# Altium PCB RK_NVR_DEMO1_RK3588_LP4XD200P232SD8_V21_20211228_final_lint.PcbDoc (part 5 of 29)
Units mm, origin at the board's own origin, x right, y up, seen from the top; angles counter-clockwise.
Board outline 170.08 x 169.98 mm, 8 copper layers (TOP, L2-GND1, L3-POWER1, L4-S1, L5-GND2, L6-S2, L7-GND3, BOTTOM), stack 2.118 mm thick; 1650 components, 1119 nets, 6165 pads, 15417 vias.
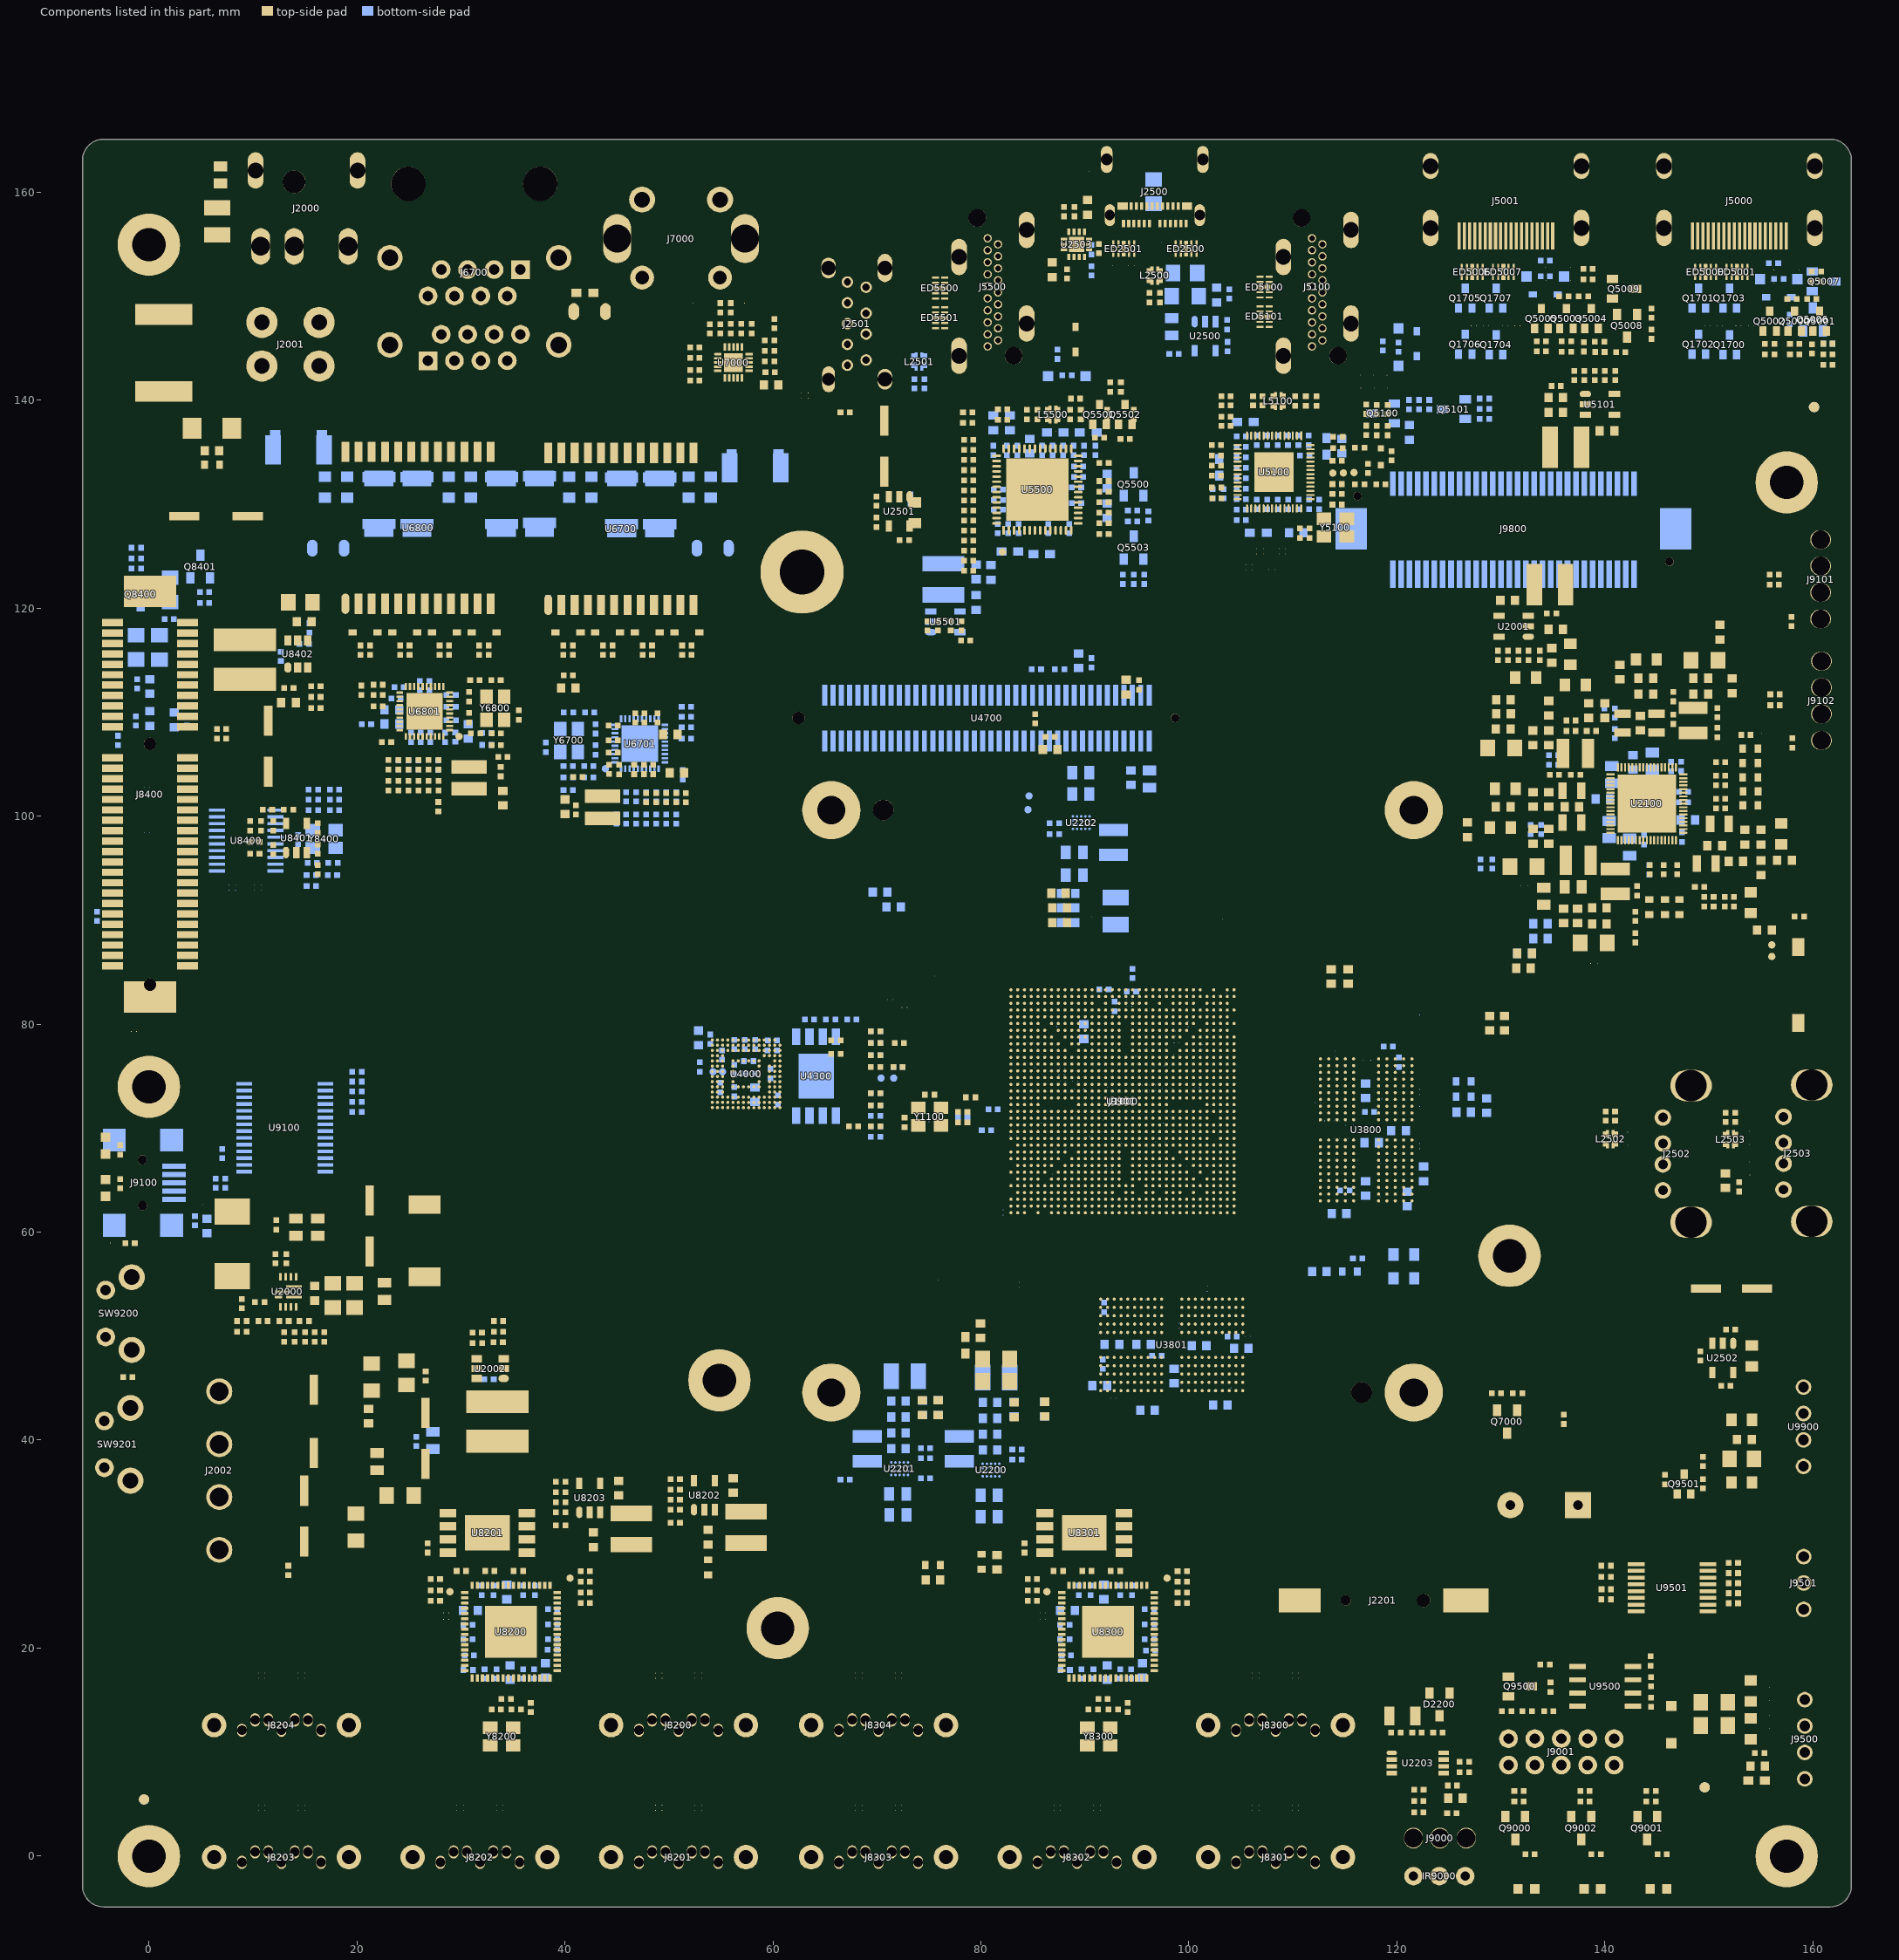
[diagram p11: the components of this part, seen from the top]

## Footprints (in the part's own frame and the unit in brackets; to place one, negate y for a bottom-side part, rotate by r counter-clockwise, add the part's x,y. Pads: shape width x height; smd on the part's side, far side on the other; paste and mask are expansions set on the pad) (continued)
QFN20_3R00X3R00X0R55_T [mil] "QFN20_3R00X3R00X0R55_T"
  oval 27.56x9.84 smd: 1(-59.06,31.5)
  rect 27.56x9.84 smd: 2(-59.06,15.75) 3(-59.06,0) 4(-59.06,-15.75) 5(-59.06,-31.5) 11(59.06,-31.5) 12(59.06,-15.75) 13(59.06,0) 14(59.06,15.75) 15(59.06,31.5)
  rect 9.84x27.56 smd: 6(-31.5,-59.06) 7(-15.75,-59.06) 8(0,-59.06) 9(15.75,-59.06) 10(31.5,-59.06) 16(31.5,59.06) 17(15.75,59.06) 18(0,59.06) 19(-15.75,59.06) 20(-31.5,59.06)
  rect 70.87x70.87 smd: 21(0,0)
  silkscreen extent -109,-59 59,59, body extent -75,-75 75,75, height 150
QFN40_5R00X5R00X0R90_T#1 [mm] "QFN40_5R00X5R00X0R90_T"
  rect 0.65x0.23 smd: 1(2.4,-1.8) 2(2.4,-1.4) 3(2.4,-1) 4(2.4,-0.6) 5(2.4,-0.2) 6(2.4,0.2) 7(2.4,0.6) 8(2.4,1) 9(2.4,1.4) 10(2.4,1.8) 21(-2.4,1.8) 22(-2.4,1.4) 23(-2.4,1) 24(-2.4,0.6) 25(-2.4,0.2) 26(-2.4,-0.2) 27(-2.4,-0.6) 28(-2.4,-1) 29(-2.4,-1.4) 30(-2.4,-1.8)
  rect 0.23x0.65 smd: 11(1.8,2.4) 12(1.4,2.4) 13(1,2.4) 14(0.6,2.4) 15(0.2,2.4) 16(-0.2,2.4) 17(-0.6,2.4) 18(-1,2.4) 19(-1.4,2.4) 20(-1.8,2.4) 31(-1.8,-2.4) 32(-1.4,-2.4) 33(-1,-2.4) 34(-0.6,-2.4) 35(-0.2,-2.4) 36(0.2,-2.4) 37(0.6,-2.4) 38(1,-2.4) 39(1.4,-2.4) 40(1.8,-2.4)
  rect 3.5x3.5 smd: 41(0,0)
  silkscreen extent -2.5,-2.5 3.56,2.5, body extent -2.75,-2.55 2.75,2.55, height 3.81
QFN40_5R00X5R00X0R90_T#2 [mm] "QFN40_5R00X5R00X0R90_T"
  rect 0.65x0.23 smd: 1(-2.4,1.8) 2(-2.4,1.4) 3(-2.4,1) 4(-2.4,0.6) 5(-2.4,0.2) 6(-2.4,-0.2) 7(-2.4,-0.6) 8(-2.4,-1) 9(-2.4,-1.4) 10(-2.4,-1.8) 21(2.4,-1.8) 22(2.4,-1.4) 23(2.4,-1) 24(2.4,-0.6) 25(2.4,-0.2) 26(2.4,0.2) 27(2.4,0.6) 28(2.4,1) 29(2.4,1.4) 30(2.4,1.8)
  rect 0.23x0.65 smd: 11(-1.8,-2.4) 12(-1.4,-2.4) 13(-1,-2.4) 14(-0.6,-2.4) 15(-0.2,-2.4) 16(0.2,-2.4) 17(0.6,-2.4) 18(1,-2.4) 19(1.4,-2.4) 20(1.8,-2.4) 31(1.8,2.4) 32(1.4,2.4) 33(1,2.4) 34(0.6,2.4) 35(0.2,2.4) 36(-0.2,2.4) 37(-0.6,2.4) 38(-1,2.4) 39(-1.4,2.4) 40(-1.8,2.4)
  rect 3.5x3.5 smd: 41(0,0)
  silkscreen extent -3.56,-2.5 2.5,2.5, body extent -2.75,-2.55 2.75,2.55, height 3.81
QFN56_7R00X7R00X0R90_T [mil] "QFN56_7R00X7R00X0R90_T"
  rect 31.5x7.87 smd: 1(-137.8,102.36)
  oval 31.5x7.87 smd: 2(-137.8,86.61) 3(-137.8,70.87) 4(-137.8,55.12) 5(-137.8,39.37) 6(-137.8,23.62) 7(-137.8,7.87) 8(-137.8,-7.87) 9(-137.8,-23.62) 10(-137.8,-39.37) 11(-137.8,-55.12) 12(-137.8,-70.87) 13(-137.8,-86.61) 14(-137.8,-102.36) 29(137.8,-102.36) 30(137.8,-86.61) 31(137.8,-70.87) 32(137.8,-55.12) 33(137.8,-39.37) 34(137.8,-23.62) 35(137.8,-7.87) 36(137.8,7.87) 37(137.8,23.62) 38(137.8,39.37) 39(137.8,55.12) 40(137.8,70.87) 41(137.8,86.61) 42(137.8,102.36)
  oval 7.87x31.5 smd: 15(-102.36,-137.8) 16(-86.61,-137.8) 17(-70.87,-137.8) 18(-55.12,-137.8) 19(-39.37,-137.8) 20(-23.62,-137.8) 21(-7.87,-137.8) 22(7.87,-137.8) 23(23.62,-137.8) 24(39.37,-137.8) 25(55.12,-137.8) 26(70.87,-137.8) 27(86.61,-137.8) 28(102.36,-137.8) 43(102.36,137.8) 44(86.61,137.8) 45(70.87,137.8) 46(55.12,137.8) 47(39.37,137.8) 48(23.62,137.8) 49(7.87,137.8) 50(-7.87,137.8) 51(-23.62,137.8) 52(-39.37,137.8) 53(-55.12,137.8) 54(-70.87,137.8) 55(-86.61,137.8) 56(-102.36,137.8)
  rect 149.61x149.61 smd: 57(0,0)
  silkscreen extent -188,-138 138,138
QFN56_8R00X8R00X0R90_T [mm] "QFN56_8R00X8R00X0R90_T"
  rect 0.85x0.25 smd: 1(-3.925,3.25)
  oval 0.85x0.25 smd: 2(-3.925,2.75) 3(-3.925,2.25) 4(-3.925,1.75) 5(-3.925,1.25) 6(-3.925,0.75) 7(-3.925,0.25) 8(-3.925,-0.25) 9(-3.925,-0.75) 10(-3.925,-1.25) 11(-3.925,-1.75) 12(-3.925,-2.25) 13(-3.925,-2.75) 14(-3.925,-3.25) 29(3.925,-3.25) 30(3.925,-2.75) 31(3.925,-2.25) 32(3.925,-1.75) 33(3.925,-1.25) 34(3.925,-0.75) 35(3.925,-0.25) 36(3.925,0.25) 37(3.925,0.75) 38(3.925,1.25) 39(3.925,1.75) 40(3.925,2.25) 41(3.925,2.75) 42(3.925,3.25)
  oval 0.25x0.85 smd: 15(-3.25,-3.925) 16(-2.75,-3.925) 17(-2.25,-3.925) 18(-1.75,-3.925) 19(-1.25,-3.925) 20(-0.75,-3.925) 21(-0.25,-3.925) 22(0.25,-3.925) 23(0.75,-3.925) 24(1.25,-3.925) 25(1.75,-3.925) 26(2.25,-3.925) 27(2.75,-3.925) 28(3.25,-3.925) 43(3.25,3.925) 44(2.75,3.925) 45(2.25,3.925) 46(1.75,3.925) 47(1.25,3.925) 48(0.75,3.925) 49(0.25,3.925) 50(-0.25,3.925) 51(-0.75,3.925) 52(-1.25,3.925) 53(-1.75,3.925) 54(-2.25,3.925) 55(-2.75,3.925) 56(-3.25,3.925)
  rect 6x6 smd: 57(0,0)
  silkscreen extent -5.5,-4 4,4, body extent -4.35,-4.05 4.35,4.05, height 3.81
QFN64_9R00X9R00X0R90_T [mm] "QFN64_9R00X9R00X0R90_T"
  rect 0.7x0.3 smd: 1(-4.45,3.75) 2(-4.45,3.25) 3(-4.45,2.75) 4(-4.45,2.25) 5(-4.45,1.75) 6(-4.45,1.25) 7(-4.45,0.75) 8(-4.45,0.25) 9(-4.45,-0.25) 10(-4.45,-0.75) 11(-4.45,-1.25) 12(-4.45,-1.75) 13(-4.45,-2.25) 14(-4.45,-2.75) 15(-4.45,-3.25) 16(-4.45,-3.75) 33(4.45,-3.75) 34(4.45,-3.25) 35(4.45,-2.75) 36(4.45,-2.25) 37(4.45,-1.75) 38(4.45,-1.25) 39(4.45,-0.75) 40(4.45,-0.25) 41(4.45,0.25) 42(4.45,0.75) 43(4.45,1.25) 44(4.45,1.75) 45(4.45,2.25) 46(4.45,2.75) 47(4.45,3.25) 48(4.45,3.75)
  rect 0.3x0.7 smd: 17(-3.75,-4.45) 18(-3.25,-4.45) 19(-2.75,-4.45) 20(-2.25,-4.45) 21(-1.75,-4.45) 22(-1.25,-4.45) 23(-0.75,-4.45) 24(-0.25,-4.45) 25(0.25,-4.45) 26(0.75,-4.45) 27(1.25,-4.45) 28(1.75,-4.45) 29(2.25,-4.45) 30(2.75,-4.45) 31(3.25,-4.45) 32(3.75,-4.45) 49(3.75,4.45) 50(3.25,4.45) 51(2.75,4.45) 52(2.25,4.45) 53(1.75,4.45) 54(1.25,4.45) 55(0.75,4.45) 56(0.25,4.45) 57(-0.25,4.45) 58(-0.75,4.45) 59(-1.25,4.45) 60(-1.75,4.45) 61(-2.25,4.45) 62(-2.75,4.45) 63(-3.25,4.45) 64(-3.75,4.45)
  rect 5x5 smd: 65(0,0)
  silkscreen extent -5.55,-4.5 4.5,4.5, body extent -4.8,-4.8 4.8,4.8, height 3.81
QFN68_7R00X7R00X0R80_T [mil] "QFN68_7R00X7R00X0R80_T"
  oval 31.5x7.87 smd: 1(-137.8,110.24)
  rect 31.5x7.87 smd: 2(-137.8,96.46) 3(-137.8,82.68) 4(-137.8,68.9) 5(-137.8,55.12) 6(-137.8,41.34) 7(-137.8,27.56) 8(-137.8,13.78) 9(-137.8,0) 10(-137.8,-13.78) 11(-137.8,-27.56) 12(-137.8,-41.34) 13(-137.8,-55.12) 14(-137.8,-68.9) 15(-137.8,-82.68) 16(-137.8,-96.46) 17(-137.8,-110.24) 35(137.8,-110.24) 36(137.8,-96.46) 37(137.8,-82.68) 38(137.8,-68.9) 39(137.8,-55.12) 40(137.8,-41.34) 41(137.8,-27.56) 42(137.8,-13.78) 43(137.8,0) 44(137.8,13.78) 45(137.8,27.56) 46(137.8,41.34) 47(137.8,55.12) 48(137.8,68.9) 49(137.8,82.68) 50(137.8,96.46) 51(137.8,110.24)
  rect 7.87x31.5 smd: 18(-110.24,-137.8) 19(-96.46,-137.8) 20(-82.68,-137.8) 21(-68.9,-137.8) 22(-55.12,-137.8) 23(-41.34,-137.8) 24(-27.56,-137.8) 25(-13.78,-137.8) 26(0,-137.8) 27(13.78,-137.8) 28(27.56,-137.8) 29(41.34,-137.8) 30(55.12,-137.8) 31(68.9,-137.8) 32(82.68,-137.8) 33(96.46,-137.8) 34(110.24,-137.8) 52(110.24,137.8) 53(96.46,137.8) 54(82.68,137.8) 55(68.9,137.8) 56(55.12,137.8) 57(41.34,137.8) 58(27.56,137.8) 59(13.78,137.8) 60(0,137.8) 61(-13.78,137.8) 62(-27.56,137.8) 63(-41.34,137.8) 64(-55.12,137.8) 65(-68.9,137.8) 66(-82.68,137.8) 67(-96.46,137.8) 68(-110.24,137.8)
  rect 220.47x220.47 smd: 69(0,0)
  TOP keep-out region: -120,120 -120,-120 120,-120 120,120
  TOP keep-out region: -120,115 -120,-115 -155,-115 -155,115
  TOP keep-out region: 115,155 115,120 -115,120 -115,155
  TOP keep-out region: 120,-115 120,115 155,115 155,-115
  TOP keep-out region: 120,-120 120,-155 -115,-155 -115,-120
  silkscreen extent -189,-138 138,138, body extent -156,-143 156,143, height 150
R0201#1 [mil] "R0201"
  round 1 smd: 1(9.85,0) 2(-9.85,0)
  TOP region: 9.85,-5.91 13.85,-5.91 14.7,-5.58 15.3,-4.89 15.52,-4 15.52,-4 15.52,4.5 15.21,5.22 14.61,5.73 13.85,5.91 13.85,5.91 9.85,5.91 6.9,5.12 4.73,2.95 3.94,0 4.73,-2.95 6.9,-5.12 9.85,-5.91
  TOP region: -9.85,5.91 -13.85,5.91 -14.7,5.58 -15.3,4.89 -15.52,4 -15.52,4 -15.52,-4.5 -15.21,-5.22 -14.61,-5.73 -13.85,-5.91 -13.85,-5.91 -9.85,-5.91 -6.9,-5.12 -4.73,-2.95 -3.94,0 -4.73,2.95 -6.9,5.12 -9.85,5.91
R0201#2 [mil] "R0201"
  round 1 smd: 1(-9.85,0) 2(9.85,0)
  TOP region: -9.85,5.91 -13.85,5.91 -14.7,5.58 -15.3,4.89 -15.52,4 -15.52,4 -15.52,-4.5 -15.21,-5.22 -14.61,-5.73 -13.85,-5.91 -13.85,-5.91 -9.85,-5.91 -6.9,-5.12 -4.73,-2.95 -3.94,0 -4.73,2.95 -6.9,5.12 -9.85,5.91
  TOP region: 9.85,-5.91 13.85,-5.91 14.7,-5.58 15.3,-4.89 15.52,-4 15.52,-4 15.52,4.5 15.21,5.22 14.61,5.73 13.85,5.91 13.85,5.91 9.85,5.91 6.9,5.12 4.73,2.95 3.94,0 4.73,-2.95 6.9,-5.12 9.85,-5.91
  body extent -22,-12 22,12, height 150
R0201#3 [mil] "R0201"
  round 1 smd: 1(0,-9.86) 2(0,9.86)
  TOP region: 5.9,9.86 5.91,13.86 5.58,14.71 4.89,15.32 4,15.53 4,15.54 -4.5,15.54 -5.23,15.22 -5.73,14.62 -5.91,13.86 -5.91,13.86 -5.9,9.86 -5.12,6.91 -2.95,4.75 0,3.96 2.95,4.75 5.12,6.91 5.91,9.86
  TOP region: -5.9,-9.86 -5.91,-13.86 -5.58,-14.71 -4.89,-15.32 -4,-15.53 -4,-15.54 4.5,-15.54 5.23,-15.22 5.73,-14.62 5.91,-13.86 5.91,-13.86 5.9,-9.86 5.12,-6.91 2.95,-4.75 0,-3.96 -2.95,-4.75 -5.12,-6.91 -5.91,-9.86
  body extent -22,-12 22,12, height 150
R0201#4 [mil] "R0201"
  round 1 smd: 1(0,9.86) 2(0,-9.86)
  TOP region: 5.9,9.86 5.91,13.86 5.58,14.71 4.89,15.32 4,15.53 4,15.54 -4.5,15.54 -5.23,15.22 -5.73,14.62 -5.91,13.86 -5.91,13.86 -5.9,9.86 -5.12,6.91 -2.95,4.75 0,3.96 2.95,4.75 5.12,6.91 5.91,9.86
  TOP region: -5.9,-9.86 -5.91,-13.86 -5.58,-14.71 -4.89,-15.32 -4,-15.53 -4,-15.54 4.5,-15.54 5.23,-15.22 5.73,-14.62 5.91,-13.86 5.91,-13.86 5.9,-9.86 5.12,-6.91 2.95,-4.75 0,-3.96 -2.95,-4.75 -5.12,-6.91 -5.91,-9.86
  body extent -22,-12 22,12, height 150
R0402#1 [mm] "R0402"
  rect 0.55x0.55 smd: 1(-0.45,0) 2(0.45,0)
  TOP keep-out region: -0.127,0.381 -0.127,-0.381 0.127,-0.381 0.127,0.381
  silkscreen extent -0.9,-0.4 0.9,0.4, body extent -0.89,-0.38 0.89,0.38, height 3.81
R0402#2 [mm] "R0402"
  round 0.025 smd: 1(0,0.45) 2(0,-0.45)
  TOP region: 0.275,-0.725 0.275,-0.175 -0.275,-0.175 -0.275,-0.725
  TOP region: 0.275,0.175 0.275,0.725 -0.275,0.725 -0.275,0.175
  TOP keep-out region: 0.381,0.127 -0.381,0.127 -0.381,-0.127 0.381,-0.127
  silkscreen extent -0.4,-0.9 0.4,0.9, body extent -0.89,-0.38 0.89,0.38, height 3.81
R0402#3 [mm] "R0402"
  rect 0.55x0.55 smd: 1(0.45,0) 2(-0.45,0)
  TOP keep-out region: 0.127,-0.381 0.127,0.381 -0.127,0.381 -0.127,-0.381
  silkscreen extent -0.9,-0.4 0.9,0.4, body extent -0.89,-0.38 0.89,0.38, height 3.81
R0402#4 [mm] "R0402"
  round 0.025 smd: 1(-0.45,0) 2(0.45,0)
  TOP region: -0.175,0.275 -0.725,0.275 -0.725,-0.275 -0.175,-0.275
  TOP region: 0.725,0.275 0.175,0.275 0.175,-0.275 0.725,-0.275
  TOP keep-out region: -0.127,0.381 -0.127,-0.381 0.127,-0.381 0.127,0.381
  silkscreen extent -0.9,-0.4 0.9,0.4, body extent -0.89,-0.38 0.89,0.38, height 3.81
R0402#5 [mm] "R0402"
  rect 0.55x0.55 smd: 1(-0.45,0) 2(0.45,0)
  silkscreen extent -0.9,-0.4 0.9,0.4
R0402#6 [mm] "R0402"
  round 0.025 smd: 1(0,-0.45) 2(0,0.45)
  TOP region: -0.275,-0.175 -0.275,-0.725 0.275,-0.725 0.275,-0.175
  TOP region: -0.275,0.725 -0.275,0.175 0.275,0.175 0.275,0.725
  TOP keep-out region: -0.381,-0.127 0.381,-0.127 0.381,0.127 -0.381,0.127
  silkscreen extent -0.4,-0.9 0.4,0.9, body extent -0.89,-0.38 0.89,0.38, height 3.81
R0603 [mm] "R0603"
  rect 0.65x0.8 smd: 1(-0.725,0) 2(0.725,0)
  TOP keep-out region: -0.254,0.381 -0.254,-0.381 0.254,-0.381 0.254,0.381
  silkscreen extent -1.35,-0.6 1.35,0.6, body extent -1.4,-0.64 1.4,0.64, height 3.81
R0805#1 [mm] "R0805"
  rect 1x1.2 smd: 1(-1,0) 2(1,0)
  TOP keep-out region: -0.381,0.635 -0.381,-0.635 0.381,-0.635 0.381,0.635
  silkscreen extent -1.7,-0.95 1.7,0.95, body extent -1.78,-1.02 1.78,1.02, height 3.81
R0805#2 [mm] "R0805"
  rect 1x1.2 smd: 1(1,0) 2(-1,0)
  TOP keep-out region: 0.381,-0.635 0.381,0.635 -0.381,0.635 -0.381,-0.635
  silkscreen extent -1.7,-0.95 1.7,0.95, body extent -1.78,-1.02 1.78,1.02, height 3.81
R1206 [mil] "R1206"
  rect 55.12x62.99 smd: 1(-51,0) 2(51.36,0)
  TOP keep-out region: -19.82,35 -19.82,-35 20.18,-35 20.18,35
  silkscreen extent -86,-39 87,39, body extent -85,-40 85,40, height 150
R1210#1 [mm] "R1210"
  rect 1.5x2.5 smd: 1(-1.3,0) 2(1.3,0)
  TOP keep-out region: -0.508,1.27 -0.508,-1.27 0.508,-1.27 0.508,1.27
  silkscreen extent -2.2,-1.4 2.2,1.4, body extent -2.16,-1.4 2.16,1.4, height 3.81
R1210#2 [mm] "R1210"
  rect 1.5x2.5 smd: 1(1.3,0) 2(-1.3,0)
  TOP keep-out region: 0.508,-1.27 0.508,1.27 -0.508,1.27 -0.508,-1.27
  silkscreen extent -2.2,-1.4 2.2,1.4, body extent -2.16,-1.4 2.16,1.4, height 3.81
R2512 [mm] "R2512"
  rect 1.8x3.1 smd: 1(-3.475,0) 2(3.475,0)
  silkscreen extent -4.6,-1.75 4.6,1.75, body extent -4.44,-1.6 4.44,1.6, height 3.81
RADIATOR_FAN_65RX65RX20R [mm] "RADIATOR_FAN_65RX65RX20R"
  round 5.6 / inner round 2.7 / far side round 5.6 hole 2.7: 1(-28,28) 2(28,28) 3(-28,-28) 4(28,-28)
  round 2 hole 2 unplated: ""(-23,28) ""(23,-28)
  silkscreen extent -32.5,-32.5 32.5,32.5, body extent -32.5,-32.5 32.5,32.5, height 3.81
RJ45_SAE5F8002 [mm] "RJ45_SAE5F8002"
  round 2.45 hole 1.6: 1(-8.125,6.786) 2(8.125,6.786) 3(-8.125,-1.594) 4(8.125,-1.594)
  rect 1.8x1.8 / inner round 0 / far side rect 1.8x1.8 hole 1: A1(4.45,8.316) B1(-4.44,-0.454)
  round 1.8 hole 1: A2(3.18,5.776) A3(1.91,8.316) A4(0.64,5.776) A5(-0.63,8.316) A6(-1.9,5.776) A7(-3.17,8.316) A8(-4.44,5.776) B2(-3.17,2.086) B3(-1.9,-0.454) B4(-0.63,2.086) B5(0.64,-0.454) B6(1.91,2.086) B7(3.18,-0.454) B8(4.45,2.086)
  round 3.3 hole 3.3 unplated: ""(-6.345,-8.704) ""(6.345,-8.704)
  silkscreen extent -9.81,-14.17 9.81,14.16, body extent -8.38,-14.16 8.38,14.16, height 3.81
RP2_0405#1 [mm] "RP2_0405"
  rect 0.5x0.3 smd: 1(-0.625,-0.275) 2(0.625,-0.275) 3(-0.625,0.275) 4(0.625,0.275)
  silkscreen extent -1,-0.6 1.03,0.6
RP2_0405#2 [mm] "RP2_0405"
  rect 0.5x0.3 smd: 1(0.625,0.275) 2(-0.625,0.275) 3(0.625,-0.275) 4(-0.625,-0.275)
  silkscreen extent -1.03,-0.6 1,0.6, body extent -0.88,-0.42 0.88,0.42, height 3.81
SATA30_7P_V_DIP [mm] "SATA30_7P_V_DIP"
  oval 0.92x1.27 hole 0.92 slot 1.27 at 90 deg: 1(3.81,-0.508) 2(2.54,0.492) 3(1.27,0.492) 4(0,-0.508) 5(-1.27,0.492) 6(-2.54,0.492) 7(-3.81,-0.508)
  round 2.35 hole 1.35: 8(6.48,-0.008) 9(-6.48,-0.008)
  silkscreen extent -8.48,-3.51 8.48,3.49, body extent -8.51,-3.56 8.51,3.56, height 3.81
SATA-IDE4M_5R08_DIP [mm] "SATA-IDE4M_5R08_DIP"
  round 2.5 hole 1.8: 1(-7.62,0) 2(-2.54,0) 3(2.54,0) 4(7.62,0)
  silkscreen extent -11.75,-4.26 11.75,5, body extent -11.75,-4.26 11.75,4.26, height 3.81
SMB_F#1 [mm] "SMB_F"
  rect 1.5x2.8 smd: 1(2.45,0) 2(-2.45,0)
  TOP keep-out region: 1.6,1.65 1.6,-1.65 -1.6,-1.65 -1.6,1.65
  silkscreen extent -2.2,-1.65 2.2,1.65, body extent -3.2,-1.65 3.2,1.65, height 3.81
SMB_F#2 [mm] "SMB_F"
  rect 1.5x2.8 smd: 1(-2.45,0) 2(2.45,0)
  TOP keep-out region: -1.6,-1.65 -1.6,1.65 1.6,1.65 1.6,-1.65
  silkscreen extent -2.2,-1.65 2.2,1.65, body extent -3.2,-1.65 3.2,1.65, height 3.81
SMTSO_M3_C4R1_C6R0_L5R0 [mm] "SMTSO_M3_C4R1_C6R0_L5R0"
  round 6 / inner round 6 / far side round 8 hole 4.3: 1(0,0)
  silkscreen extent -4.09,-4.09 4.09,4.09, body extent -4.01,-4.01 4.01,4.01, height 3.81
SOD_123#1 [mm] "SOD_123"
  rect 1x1 smd: 1(-1.8,0) 2(1.8,0)
  silkscreen extent -1.11,-0.9 3.25,0.9
SOD_123#2 [mm] "SOD_123"
  rect 1x1 smd: 1(1.8,0) 2(-1.8,0)
  silkscreen extent -3.25,-0.9 1.11,0.9
SOD_323#1 [mil] "SOD_323"
  rect 31.5x23.62 smd: 1(-47.24,0) 2(47.24,0)
  silkscreen extent -26,-26 98,26
SOD_323#2 [mil] "SOD_323"
  rect 31.5x23.62 smd: 1(47.24,0) 2(-47.24,0)
  silkscreen extent -98,-26 26,26
SOD_523 [mil] "SOD_523"
  rect 23.62x23.62 smd: 1(0,31.5) 2(0,-31.5)
  silkscreen extent -16,-24 16,24, body extent -14,-45 14,45, height 150
SOIC24_17R53X12R20X5R51 [mil] "SOIC24_17R53X12R20X5R51"
  oval 29.92x76.77 smd: 1(-275.1,-287.5)
  rect 29.92x76.77 smd: 2(-225.1,-287.5) 3(-175.1,-287.5) 4(-125.1,-287.5) 5(-75.1,-287.5) 6(-25.1,-287.5) 7(25.3,-287.5) 8(75.3,-287.5) 9(125.3,-287.5) 10(175.3,-287.5) 11(225.3,-287.5) 12(275.1,-287.5) 13(275.1,287.5) 14(225.3,287.5) 15(175.3,287.5) 16(125.3,287.5) 17(75.3,287.5) 18(25.3,287.5) 19(-25.1,287.5) 20(-75.1,287.5) 21(-125.1,287.5) 22(-175.1,287.5) 23(-225.1,287.5) 24(-275.1,287.5)
  silkscreen extent -345,-240 345,240
SON10_2R50X1R00X0R50 [mm] "SON10_2R50X1R00X0R50"
  rect 0.2x0.68 smd: 1(-1,-0.437) 2(-0.5,-0.437) 4(0.5,-0.437) 5(1,-0.437) 6(1,0.437) 7(0.5,0.437) 9(-0.5,0.437) 10(-1,0.437)
  rect 0.4x0.75 smd: 3(0,-0.395) 8(0,0.395)
  silkscreen extent -1.27,-1.91 1.25,0.5
SOP8_4R00X5R00X1R75 [mm] "SOP8_4R00X5R00X1R75"
  rect 0.5x1.6 smd: 1(-1.905,-2.675) 2(-0.635,-2.675) 3(0.635,-2.675) 4(1.905,-2.675) 5(1.905,2.675) 6(0.635,2.675) 7(-0.635,2.675) 8(-1.905,2.675)
  silkscreen extent -2.5,-4.47 2.5,2, body extent -2.5,-3 2.5,3, height 3.81
SOT_23#1 [mil] "SOT_23"
  rect 31.5x43.31 smd: 1(-37.4,-43.31) 2(37.4,-43.31) 3(0,43.31)
  silkscreen extent -63,-36 63,35, body extent -65,-75 65,75, height 150
SOT_23#2 [mil] "SOT_23"
  rect 31.5x43.31 smd: 1(37.4,43.31) 2(-37.4,43.31) 3(0,-43.31)
  silkscreen extent -63,-35 63,36, body extent -65,-75 65,75, height 150
SOT_23_5#1 [mm] "SOT_23_5"
  oval 1.1x0.6 smd: 1(-1.4,1)
  rect 1.1x0.6 smd: 2(-1.4,0) 3(-1.4,-1) 4(1.4,-1) 5(1.4,1)
  silkscreen extent -2.84,-1.5 0.55,1.5, body extent -2,-1.35 2,1.35, height 3.81
SOT_23_5#2 [mm] "SOT_23_5"
  oval 1.1x0.6 smd: 1(1.4,-1)
  rect 1.1x0.6 smd: 2(1.4,0) 3(1.4,1) 4(-1.4,1) 5(-1.4,-1)
  silkscreen extent -0.55,-1.5 2.84,1.5
SOT_23_6 [mm] "SOT_23_6"
  oval 1x0.7 smd: 1(-1.363,0.95)
  rect 1x0.7 smd: 2(-1.363,0) 3(-1.363,-0.95) 4(1.236,-0.95) 5(1.236,0) 6(1.236,0.95)
  silkscreen extent -2.81,-1.75 0.64,1.75, body extent -2.22,-1.91 2.22,1.91, height 3.81
SOT_323 [mm] "SOT_323"
  rect 0.7x0.9 smd: 1(-0.65,-0.95) 2(0.65,-0.95) 3(0,0.95)
  silkscreen extent -1.1,-0.67 1.1,0.67
SSOP16_5R60X6R50X2R00 [mm] "SSOP16_5R60X6R50X2R00"
  rect 1.6x0.38 smd: 1(-3.45,2.275) 2(-3.45,1.625) 3(-3.45,0.975) 4(-3.45,0.325) 5(-3.45,-0.325) 6(-3.45,-0.975) 7(-3.45,-1.625) 8(-3.45,-2.275) 9(3.45,-2.275) 10(3.45,-1.625) 11(3.45,-0.975) 12(3.45,-0.325) 13(3.45,0.325) 14(3.45,0.975) 15(3.45,1.625) 16(3.45,2.275)
  silkscreen extent -4.94,-3.25 2.8,3.25
SSOP28_10R20X5R30X2R00 [mm] "SSOP28_10R20X5R30X2R00"
  rect 0.35x1.5 smd: 1(4.225,3.9) 2(3.575,3.9) 3(2.925,3.9) 4(2.275,3.9) 5(1.625,3.9) 6(0.975,3.9) 7(0.325,3.9) 8(-0.325,3.9) 9(-0.975,3.9) 10(-1.625,3.9) 11(-2.275,3.9) 12(-2.925,3.9) 13(-3.575,3.9) 14(-4.225,3.9) 15(-4.225,-3.9) 16(-3.575,-3.9) 17(-2.925,-3.9) 18(-2.275,-3.9) 19(-1.625,-3.9) 20(-0.975,-3.9) 21(-0.325,-3.9) 22(0.325,-3.9) 23(0.975,-3.9) 24(1.625,-3.9) 25(2.275,-3.9) 26(2.925,-3.9) 27(3.575,-3.9) 28(4.225,-3.9)
  silkscreen extent -5.1,-2.65 5.1,5.89, body extent -5.02,-4.12 5.02,4.12, height 3.81
SW2_6R00X3R70X2R50 [mil] "SW2_6R00X3R70X2R50"
  rect 47.24x66.93 smd: 1(0,-142.5) 2(0,144.9)
  silkscreen extent -73,-117 73,119, body extent -75,-123 75,123, height 150
SW4_6R50X7R00X7R10 [mm] "SW4_6R50X7R00X7R10"
  round 1.8 hole 1: 1(-2.25,-1.262) 2(2.25,-1.262)